# KiCad board SparkFun_Pro_Mini-ESP32_panelized.kicad_pcb (continued)
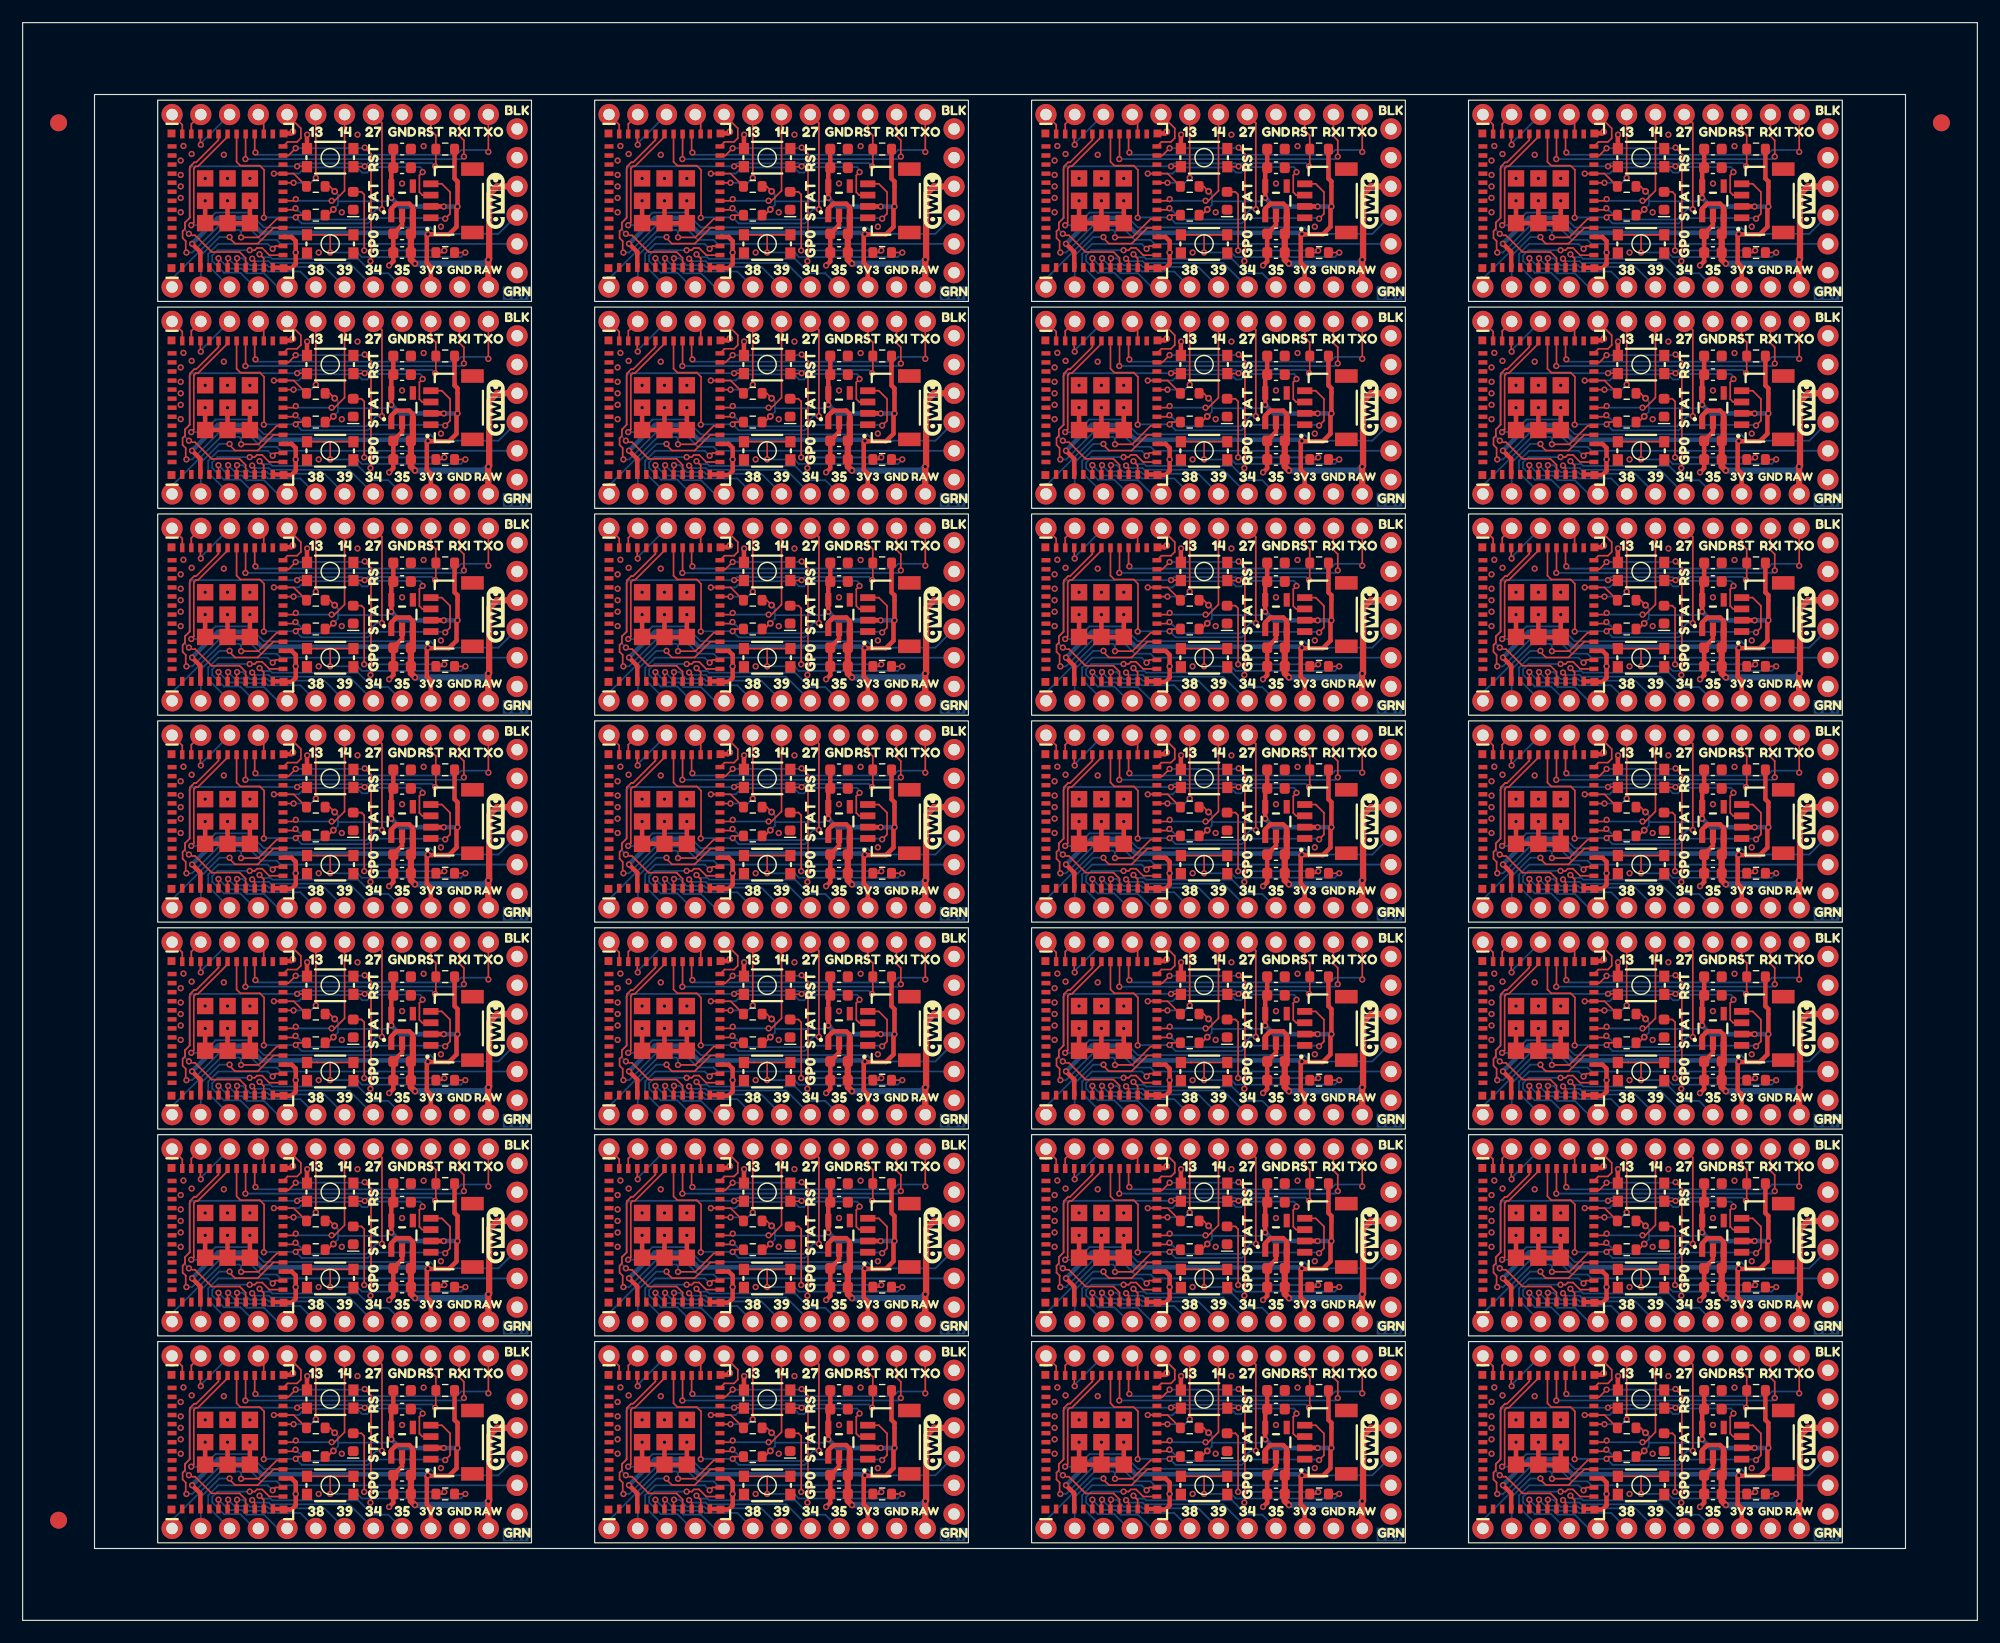
[diagram p0: board, top side]
## Routing (per net, layer and track width the routed paths; a pad name or vN(x,y) marks a point on that pad's centre or on a via; arc(x,y) is an arc through that point)
+3.3V: length 1676.9
  Top w0.152: R3#13.1 65.55,51.03 v1(66.05,51.53) ; 26.73,124.15 26.95,124.15 v1(27.45,124.65) ; v1(143.36,53.13) 142.93,53.57 R4#7.1 ; R3#14.1 104.15,51.03 v1(104.65,51.53) ; 26.73,105.87 26.95,105.87 v1(27.45,106.37) ; v1(143.25,124.65) 142.75,124.15 R3#18.1 ; R3#4.1 142.75,14.47 v1(143.25,14.97) ; v1(143.25,88.09) 142.75,87.59 R3#25.1 ; v1(104.65,88.09) 104.15,87.59 R3#11.1 ; R3#15.1 104.15,124.15 v1(104.65,124.65) ; R3#28.1 65.55,105.87 v1(66.05,106.37) ; R3#20.1 104.15,69.31 v1(104.65,69.81) ; R4#8.1 65.73,17.01 v1(66.16,16.57) ; v1(143.25,106.37) 142.75,105.87 R3#19.1 ; R3#8.1 65.55,124.15 v1(66.05,124.65) ; v1(27.56,126.25) 27.13,126.69 26.73,126.69 ; 26.73,90.13 27.13,90.13 v1(27.56,89.69) ; v1(27.45,51.53) 26.95,51.03 26.73,51.03 ; R4#28.1 65.73,35.29 v1(66.16,34.85) ; R4#27.1 104.33,108.41 v1(104.76,107.97) ; R4#22.1 104.33,53.57 v1(104.76,53.13) ; v1(104.65,14.97) 104.15,14.47 R3#21.1 ; R3.1 142.75,51.03 v1(143.25,51.53) ; R4#12.1 142.93,35.29 v1(143.36,34.85) ; 26.73,108.41 27.13,108.41 v1(27.56,107.97) ; R4#17.1 65.73,126.69 v1(66.16,126.25) ; v1(104.76,89.69) 104.33,90.13 R4#21.1 ; v1(27.56,34.85) 27.13,35.29 26.73,35.29 ; v1(66.16,53.13) 65.73,53.57 R4#24.1 ; 26.73,32.75 26.95,32.75 v1(27.45,33.25) ; v1(143.36,107.97) 142.93,108.41 R4#4.1 ; v1(27.45,88.09) 26.95,87.59 26.73,87.59 ; v1(143.36,71.41) 142.93,71.85 R4#16.1 ; v1(143.36,89.69) 142.93,90.13 R4.1 ; R3#5.1 104.15,105.87 v1(104.65,106.37) ; R4#20.1 65.73,90.13 v1(66.16,89.69) ; v1(27.45,14.97) 26.95,14.47 26.73,14.47 ; v1(66.05,33.25) 65.55,32.75 R3#16.1 ; 26.73,53.57 27.13,53.57 v1(27.56,53.13) ; 26.73,17.01 27.13,17.01 v1(27.56,16.57) ; R3#10.1 65.55,69.31 v1(66.05,69.81) ; v1(66.16,107.97) 65.73,108.41 R4#11.1 ; R4#23.1 104.33,71.85 v1(104.76,71.41) ; R3#9.1 65.55,14.47 v1(66.05,14.97) ; R4#25.1 65.73,71.85 v1(66.16,71.41) ; R4#5.1 104.33,35.29 v1(104.76,34.85) ; v1(27.56,71.41) 27.13,71.85 26.73,71.85 ; v1(104.76,126.25) 104.33,126.69 R4#9.1 ; R3#23.1 142.75,69.31 v1(143.25,69.81) ; v1(104.65,33.25) 104.15,32.75 R3#26.1 ; v1(66.05,88.09) 65.55,87.59 R3#6.1 ; R4#3.1 104.33,17.01 v1(104.76,16.57) ; v1(143.36,126.25) 142.93,126.69 R4#6.1 ; v1(143.25,33.25) 142.75,32.75 R3#22.1 ; R4#19.1 142.93,17.01 v1(143.36,16.57) ; v1(27.45,69.81) 26.95,69.31 26.73,69.31
  Top w0.406: U1#16.3 54.3,84.33 v2(53.57,85.06) ; J2#25.10 74.66,64.74 74.3,65.1 74.3,67.54 v2(74.41,67.65) 74.44,67.61 76.26,67.61 76.93,68.28 76.93,69.99 v2(77.02,70.07) 77.02,72.29 76.76,72.55 R1#22.1 ; C6#12.1 C5#4.1 109.77,128.17 U2#17.5 v2(109.77,125.67) ; v2(109.77,107.39) U2#20.5 109.77,109.89 C5#19.1 C6#24.1 ; U1.3 15.7,11.21 v2(14.97,11.94) ; v2(130.77,103.34) 131.5,102.61 U1#19.3 ; v2(153,51.79) 153,51.8 J4#24.2 ; R1#9.1 153.95,54.27 154.22,54.01 v2(154.22,51.79) 154.13,51.71 154.13,50 153.46,49.33 151.64,49.33 v2(151.61,49.37) 151.5,49.26 151.5,46.82 151.86,46.46 J2#13.10 ; C6#11.1 C5#5.1 32.57,36.77 U2#16.5 v2(32.57,34.27) ; J4#10.2 37.2,51.8 v2(37.2,51.79) ; U1#8.3 92.9,29.49 v2(92.17,30.22) ; C6#15.1 C5#14.1 148.37,55.05 U2#7.5 v2(148.37,52.55) ; J4#5.2 75.8,33.52 v2(75.8,33.51) ; v2(14.97,103.34) 15.7,102.61 U1#6.3 ; v2(109.77,89.11) U2.5 109.77,91.61 C5#23.1 C6#23.1 ; U1#21.3 54.3,102.61 v2(53.57,103.34) ; R1#18.1 153.95,127.39 154.22,127.13 v2(154.22,124.91) 154.13,124.83 154.13,123.12 153.46,122.45 151.64,122.45 v2(151.61,122.49) 151.5,122.38 151.5,119.94 151.86,119.58 J2#26.10 ; J4#28.2 153,70.08 v2(153,70.07) ; v2(37.2,106.63) 37.2,106.64 J4#8.2 ; v2(114.4,51.79) 114.39,51.8 J4#14.2 ; C6#18.1 C5#26.1 109.77,18.49 U2#19.5 v2(109.77,15.99) ; v2(32.57,70.83) U2#5.5 32.57,73.33 C5#25.1 C6#2.1 ; C6#19.1 C5.1 32.57,18.49 U2#10.5 v2(32.57,15.99) ; R1#4.1 153.95,90.83 154.22,90.57 v2(154.22,88.35) 154.13,88.27 154.13,86.56 153.46,85.89 151.64,85.89 v2(151.61,85.93) 151.5,85.82 151.5,83.38 151.86,83.02 J2#28.10 ; J2#16.10 113.26,83.02 112.9,83.38 112.9,85.82 v2(113.01,85.93) 113.04,85.89 114.86,85.89 115.53,86.56 115.53,88.27 v2(115.62,88.35) 115.62,90.57 115.36,90.83 R1#16.1 ; v2(53.57,30.22) 54.3,29.49 U1#17.3 ; v2(71.17,15.99) U2#2.5 71.17,18.49 71.35,18.66 71.35,20.31 ; U1#10.3 92.9,66.05 v2(92.17,66.78) ; R1#25.1 115.36,35.99 115.62,35.73 v2(115.62,33.51) 115.53,33.43 115.53,31.72 114.86,31.05 113.04,31.05 v2(113.01,31.09) 112.9,30.98 112.9,28.54 113.26,28.18 J2.10 ; R1#26.1 115.36,54.27 115.62,54.01 v2(115.62,51.79) 115.53,51.71 115.53,50 114.86,49.33 113.04,49.33 v2(113.01,49.37) 112.9,49.26 112.9,46.82 113.26,46.46 J2#18.10 ; J2#7.10 36.06,101.3 35.7,101.66 35.7,104.1 v2(35.81,104.21) 35.84,104.17 37.66,104.17 38.33,104.84 38.33,106.55 v2(38.42,106.63) 38.42,108.85 38.15,109.11 R1#15.1 ; R1#13.1 38.15,17.71 38.42,17.45 v2(38.42,15.23) 38.33,15.15 38.33,13.44 37.66,12.77 35.84,12.77 v2(35.81,12.81) 35.7,12.7 35.7,10.26 36.06,9.9 J2#20.10 ; v2(37.2,15.23) 37.2,15.24 J4#21.2 ; C6#25.1 C5#12.1 109.77,36.77 U2#4.5 v2(109.77,34.27) ; R1#2.1 76.76,35.99 77.02,35.73 v2(77.02,33.51) 76.93,33.43 76.93,31.72 76.26,31.05 74.44,31.05 v2(74.41,31.09) 74.3,30.98 74.3,28.54 74.66,28.18 J2#2.10 ; v2(114.4,124.91) 114.39,124.92 J4#7.2 ; J2#12.10 151.86,28.18 151.5,28.54 151.5,30.98 v2(151.61,31.09) 151.64,31.05 153.46,31.05 154.13,31.72 154.13,33.43 v2(154.22,33.51) 154.22,35.73 153.95,35.99 R1#12.1 ; C6#28.1 C5#2.1 32.57,109.89 U2#14.5 v2(32.57,107.39) ; v2(130.77,85.06) 131.5,84.33 U1#3.3 ; v2(92.17,48.5) 92.9,47.77 U1#5.3 ; U1#12.3 131.5,66.05 v2(130.77,66.78) ; v2(53.57,121.62) 54.3,120.89 U1#23.3 ; v2(14.97,121.62) 15.7,120.89 U1#18.3 ; v2(153,106.63) 153,106.64 J4#2.2 ; J4#17.2 37.2,33.52 v2(37.2,33.51) ; v2(148.37,70.83) U2#9.5 148.37,73.33 C5#27.1 C6#5.1 ; J4#3.2 75.8,51.8 v2(75.8,51.79) ; J4#6.2 114.39,33.52 v2(114.4,33.51) ; R1#14.1 153.95,17.71 154.22,17.45 v2(154.22,15.23) 154.13,15.15 154.13,13.44 153.46,12.77 151.64,12.77 v2(151.61,12.81) 151.5,12.7 151.5,10.26 151.86,9.9 J2#10.10 ; U1#20.3 54.3,47.77 v2(53.57,48.5) ; J4#23.2 114.39,70.08 v2(114.4,70.07) ; R1#20.1 153.95,72.55 154.22,72.29 v2(154.22,70.07) 154.13,69.99 154.13,68.28 153.46,67.61 151.64,67.61 v2(151.61,67.65) 151.5,67.54 151.5,65.1 151.86,64.74 J2#3.10 ; v2(71.17,34.27) U2#26.5 71.17,36.77 71.35,36.94 71.35,38.59 ; J4#22.2 114.39,15.24 v2(114.4,15.23) ; J4#4.2 75.8,15.24 v2(75.8,15.23) ; C6#27.1 C5#9.1 148.37,109.89 U2#11.5 v2(148.37,107.39) ; J4#27.2 114.39,88.36 v2(114.4,88.35) ; C6#14.1 C5#11.1 148.37,91.61 U2#27.5 v2(148.37,89.11) ; v2(92.17,103.34) 92.9,102.61 U1#11.3 ; v2(53.57,66.78) 54.3,66.05 U1#15.3 ; U1#22.3 92.9,11.21 v2(92.17,11.94) ; J4#9.2 153,15.24 v2(153,15.23) ; v2(153,124.91) 153,124.92 J4#15.2 ; v2(130.77,11.94) 131.5,11.21 U1#26.3 ; R1#7.1 115.36,72.55 115.62,72.29 v2(115.62,70.07) 115.53,69.99 115.53,68.28 114.86,67.61 113.04,67.61 v2(113.01,67.65) 112.9,67.54 112.9,65.1 113.26,64.74 J2#14.10 ; 71.35,129.99 71.35,128.34 71.17,128.17 U2#6.5 v2(71.17,125.67) ; v2(53.57,11.94) 54.3,11.21 U1#4.3 ; R1#28.1 115.36,17.71 115.62,17.45 v2(115.62,15.23) 115.53,15.15 115.53,13.44 114.86,12.77 113.04,12.77 v2(113.01,12.81) 112.9,12.7 112.9,10.26 113.26,9.9 J2#5.10 ; v2(148.37,125.67) U2#22.5 148.37,128.17 C5#3.1 C6#21.1 ; v2(109.77,52.55) U2#18.5 109.77,55.05 C5#15.1 C6#16.1 ; J4#12.2 114.39,106.64 v2(114.4,106.63) ; v2(37.2,88.35) 37.2,88.36 J4#18.2 ; v2(71.17,107.39) U2#3.5 71.17,109.89 71.35,110.06 71.35,111.71 ; J2#15.10 36.06,28.18 35.7,28.54 35.7,30.98 v2(35.81,31.09) 35.84,31.05 37.66,31.05 38.33,31.72 38.33,33.43 v2(38.42,33.51) 38.42,35.73 38.15,35.99 R1#23.1 ; J4#25.2 153,33.52 v2(153,33.51) ; U1#9.3 131.5,120.89 v2(130.77,121.62) ; v2(37.2,70.07) 37.2,70.08 J4.2 ; v2(71.17,70.83) U2#12.5 71.17,73.33 71.35,73.5 71.35,75.15 ; v2(71.17,52.55) U2#21.5 71.17,55.05 71.35,55.22 71.35,56.87 ; R1#11.1 76.76,54.27 77.02,54.01 v2(77.02,51.79) 76.93,51.71 76.93,50 76.26,49.33 74.44,49.33 v2(74.41,49.37) 74.3,49.26 74.3,46.82 74.66,46.46 J2#23.10 ; R1#6.1 76.76,109.11 77.02,108.85 v2(77.02,106.63) 76.93,106.55 76.93,104.84 76.26,104.17 74.44,104.17 v2(74.41,104.21) 74.3,104.1 74.3,101.66 74.66,101.3 J2#19.10 ; v2(75.8,124.91) 75.8,124.92 J4#26.2 ; U1#25.3 15.7,84.33 v2(14.97,85.06) ; v2(75.8,70.07) 75.8,70.08 J4#11.2 ; J2#17.10 113.26,119.58 112.9,119.94 112.9,122.38 v2(113.01,122.49) 113.04,122.45 114.86,122.45 115.53,123.12 115.53,124.83 v2(115.62,124.91) 115.62,127.13 115.36,127.39 R1#27.1 ; v2(130.77,48.5) 131.5,47.77 U1#7.3 ; v2(71.17,89.11) U2#24.5 71.17,91.61 71.35,91.78 71.35,93.43 ; R1#17.1 76.76,127.39 77.02,127.13 v2(77.02,124.91) 76.93,124.83 76.93,123.12 76.26,122.45 74.44,122.45 v2(74.41,122.49) 74.3,122.38 74.3,119.94 74.66,119.58 J2#4.10 ; R1.1 153.95,109.11 154.22,108.85 v2(154.22,106.63) 154.13,106.55 154.13,104.84 153.46,104.17 151.64,104.17 v2(151.61,104.21) 151.5,104.1 151.5,101.66 151.86,101.3 J2#27.10 ; J2#22.10 36.06,64.74 35.7,65.1 35.7,67.54 v2(35.81,67.65) 35.84,67.61 37.66,67.61 38.33,68.28 38.33,69.99 v2(38.42,70.07) 38.42,72.29 38.15,72.55 R1#24.1 ; J2#6.10 36.06,119.58 35.7,119.94 35.7,122.38 v2(35.81,122.49) 35.84,122.45 37.66,122.45 38.33,123.12 38.33,124.83 v2(38.42,124.91) 38.42,127.13 38.15,127.39 R1#8.1 ; v2(14.97,48.5) 15.7,47.77 U1#28.3 ; v2(148.37,34.27) U2#28.5 148.37,36.77 C5#20.1 C6#10.1 ; v2(92.17,121.62) 92.9,120.89 U1#14.3 ; U1#2.3 15.7,29.49 v2(14.97,30.22) ; C6#3.1 C5#10.1 32.57,128.17 U2#13.5 v2(32.57,125.67) ; v2(32.57,89.11) U2#25.5 32.57,91.61 C5#8.1 C6#17.1 ; U1#24.3 15.7,66.05 v2(14.97,66.78) ; v2(32.57,52.55) U2#23.5 32.57,55.05 C5#28.1 C6#6.1 ; R1#21.1 76.76,90.83 77.02,90.57 v2(77.02,88.35) 76.93,88.27 76.93,86.56 76.26,85.89 74.44,85.89 v2(74.41,85.93) 74.3,85.82 74.3,83.38 74.66,83.02 J2#21.10 ; J4#13.2 37.2,124.92 v2(37.2,124.91) ; J4#20.2 75.8,88.36 v2(75.8,88.35) ; R1#5.1 115.36,109.11 115.62,108.85 v2(115.62,106.63) 115.53,106.55 115.53,104.84 114.86,104.17 113.04,104.17 v2(113.01,104.21) 112.9,104.1 112.9,101.66 113.26,101.3 J2#24.10 ; J2#8.10 74.66,9.9 74.3,10.26 74.3,12.7 v2(74.41,12.81) 74.44,12.77 76.26,12.77 76.93,13.44 76.93,15.15 v2(77.02,15.23) 77.02,17.45 76.76,17.71 R1#10.1 ; v2(153,88.35) 153,88.36 J4#16.2 ; v2(75.8,106.63) 75.8,106.64 J4#19.2 ; R1#3.1 38.15,54.27 38.42,54.01 v2(38.42,51.79) 38.33,51.71 38.33,50 37.66,49.33 35.84,49.33 v2(35.81,49.37) 35.7,49.26 35.7,46.82 36.06,46.46 J2#9.10 ; v2(109.77,70.83) U2#15.5 109.77,73.33 C5#21.1 C6#13.1 ; v2(130.77,30.22) 131.5,29.49 U1#27.3 ; v2(148.37,15.99) U2#8.5 148.37,18.49 C5#16.1 C6.1 ; v2(92.17,85.06) 92.9,84.33 U1#13.3 ; J2#11.10 36.06,83.02 35.7,83.38 35.7,85.82 v2(35.81,85.93) 35.84,85.89 37.66,85.89 38.33,86.56 38.33,88.27 v2(38.42,88.35) 38.42,90.57 38.15,90.83 R1#19.1
  Bottom w0.152: 27.86,34.02 27.9,33.97 32.27,33.97 v2(32.57,34.27) ; 27.86,34.02 27.86,33.66 v1(27.45,33.25) ; 27.86,34.02 27.86,34.56 v1(27.56,34.85) ; 143.66,88.86 143.66,88.5 v1(143.25,88.09) ; 143.66,88.86 143.7,88.81 148.07,88.81 v2(148.37,89.11) ; 143.66,88.86 143.66,89.4 v1(143.36,89.69) ; 66.46,125.42 66.5,125.37 70.87,125.37 v2(71.17,125.67) ; 66.46,125.42 66.46,125.96 v1(66.16,126.25) ; 66.46,125.42 66.46,125.06 v1(66.05,124.65) ; v1(27.45,14.97) 27.86,15.38 27.86,15.74 ; v1(104.76,126.25) 105.06,125.96 105.06,125.42 ; v2(32.57,125.67) 32.27,125.37 27.9,125.37 27.86,125.42 ; v1(143.36,107.97) 143.66,107.68 143.66,107.14 ; 66.46,107.14 66.46,106.78 v1(66.05,106.37) ; 66.46,107.14 66.46,107.68 v1(66.16,107.97) ; 66.46,107.14 66.5,107.09 70.87,107.09 v2(71.17,107.39) ; 105.06,52.3 105.1,52.25 109.47,52.25 v2(109.77,52.55) ; 105.06,52.3 105.06,52.84 v1(104.76,53.13) ; 105.06,52.3 105.06,51.94 v1(104.65,51.53) ; v1(104.65,88.09) 105.06,88.5 105.06,88.86 ; v1(143.25,124.65) 143.66,125.06 143.66,125.42 ; 143.66,34.02 143.7,33.97 148.07,33.97 v2(148.37,34.27) ; 143.66,34.02 143.66,34.56 v1(143.36,34.85) ; 143.66,34.02 143.66,33.66 v1(143.25,33.25) ; 105.06,15.74 105.1,15.69 109.47,15.69 v2(109.77,15.99) ; 105.06,15.74 105.06,15.38 v1(104.65,14.97) ; 105.06,15.74 105.06,16.28 v1(104.76,16.57) ; v1(66.05,69.81) 66.46,70.22 66.46,70.58 ; 27.86,52.3 27.86,52.84 v1(27.56,53.13) ; 27.86,52.3 27.86,51.94 v1(27.45,51.53) ; 27.86,52.3 27.9,52.25 32.27,52.25 v2(32.57,52.55) ; 27.86,70.58 27.86,70.22 v1(27.45,69.81) ; 27.86,70.58 27.86,71.12 v1(27.56,71.41) ; 27.86,70.58 27.9,70.53 32.27,70.53 v2(32.57,70.83) ; 66.46,52.3 66.46,52.84 v1(66.16,53.13) ; 66.46,52.3 66.5,52.25 70.87,52.25 v2(71.17,52.55) ; 66.46,52.3 66.46,51.94 v1(66.05,51.53) ; v1(66.05,33.25) 66.46,33.66 66.46,34.02 ; 66.46,15.74 66.46,16.28 v1(66.16,16.57) ; 66.46,15.74 66.5,15.69 70.87,15.69 v2(71.17,15.99) ; 66.46,15.74 66.46,15.38 v1(66.05,14.97) ; v2(32.57,107.39) 32.27,107.09 27.9,107.09 27.86,107.14 ; v2(148.37,107.39) 148.07,107.09 143.7,107.09 143.66,107.14 ; v1(143.25,106.37) 143.66,106.78 143.66,107.14 ; 27.86,88.86 27.86,89.4 v1(27.56,89.69) ; 27.86,88.86 27.9,88.81 32.27,88.81 v2(32.57,89.11) ; 27.86,88.86 27.86,88.5 v1(27.45,88.09) ; 27.86,125.42 27.86,125.06 v1(27.45,124.65) ; 27.86,125.42 27.86,125.96 v1(27.56,126.25) ; v2(109.77,34.27) 109.47,33.97 105.1,33.97 105.06,34.02 ; 66.46,34.02 66.46,34.56 v1(66.16,34.85) ; 66.46,34.02 66.5,33.97 70.87,33.97 v2(71.17,34.27) ; v1(143.25,51.53) 143.66,51.94 143.66,52.3 ; 105.06,88.86 105.06,89.4 v1(104.76,89.69) ; 105.06,88.86 105.1,88.81 109.47,88.81 v2(109.77,89.11) ; 66.46,70.58 66.5,70.53 70.87,70.53 v2(71.17,70.83) ; 66.46,70.58 66.46,71.12 v1(66.16,71.41) ; v2(148.37,15.99) 148.07,15.69 143.7,15.69 143.66,15.74 ; 143.66,15.74 143.66,16.28 v1(143.36,16.57) ; 143.66,15.74 143.66,15.38 v1(143.25,14.97) ; v1(104.76,34.85) 105.06,34.56 105.06,34.02 ; v1(143.36,53.13) 143.66,52.84 143.66,52.3 ; v1(27.45,106.37) 27.86,106.78 27.86,107.14 ; 105.06,34.02 105.06,33.66 v1(104.65,33.25) ; 105.06,107.14 105.06,107.68 v1(104.76,107.97) ; 105.06,107.14 105.1,107.09 109.47,107.09 v2(109.77,107.39) ; 105.06,107.14 105.06,106.78 v1(104.65,106.37) ; 105.06,125.42 105.1,125.37 109.47,125.37 v2(109.77,125.67) ; 105.06,125.42 105.06,125.06 v1(104.65,124.65) ; 143.66,125.42 143.66,125.96 v1(143.36,126.25) ; 143.66,125.42 143.7,125.37 148.07,125.37 v2(148.37,125.67) ; v1(27.56,107.97) 27.86,107.68 27.86,107.14 ; v1(143.25,69.81) 143.66,70.22 143.66,70.58 ; 143.66,70.58 143.66,71.12 v1(143.36,71.41) ; 143.66,70.58 143.7,70.53 148.07,70.53 v2(148.37,70.83) ; v1(66.05,88.09) 66.46,88.5 66.46,88.86 ; 143.66,52.3 143.7,52.25 148.07,52.25 v2(148.37,52.55) ; 27.86,15.74 27.86,16.28 v1(27.56,16.57) ; 27.86,15.74 27.9,15.69 32.27,15.69 v2(32.57,15.99) ; 66.46,88.86 66.5,88.81 70.87,88.81 v2(71.17,89.11) ; 66.46,88.86 66.46,89.4 v1(66.16,89.69) ; 105.06,70.58 105.06,71.12 v1(104.76,71.41) ; 105.06,70.58 105.1,70.53 109.47,70.53 v2(109.77,70.83) ; 105.06,70.58 105.06,70.22 v1(104.65,69.81)
  Bottom w0.406: v2(35.81,67.65) 35.7,67.75 21.11,67.75 19.8,69.06 17.24,69.06 v2(14.97,66.78) ; v2(151.61,104.21) 151.5,104.31 136.91,104.31 135.6,105.62 133.04,105.62 v2(130.77,103.34) ; v2(148.37,34.27) 149.13,33.51 v2(153,33.51) v2(154.22,33.51) ; v2(115.62,88.35) v2(114.4,88.35) 110.53,88.35 v2(109.77,89.11) ; v2(113.01,67.65) 112.9,67.75 98.31,67.75 97,69.06 94.44,69.06 v2(92.17,66.78) ; v2(14.97,121.62) 17.24,123.9 19.8,123.9 21.11,122.59 35.7,122.59 v2(35.81,122.49) ; v2(77.02,70.07) v2(75.8,70.07) 71.93,70.07 v2(71.17,70.83) ; v2(109.77,15.99) 110.53,15.23 v2(114.4,15.23) v2(115.62,15.23) ; v2(130.77,30.22) 133.04,32.5 135.6,32.5 136.91,31.19 151.5,31.19 v2(151.61,31.09) ; v2(151.61,49.37) 151.5,49.47 136.91,49.47 135.6,50.78 133.04,50.78 v2(130.77,48.5) ; v2(74.41,85.93) 74.3,86.03 59.71,86.03 58.4,87.34 55.84,87.34 v2(53.57,85.06) ; v2(92.17,103.34) 94.44,105.62 97,105.62 98.31,104.31 112.9,104.31 v2(113.01,104.21) ; v2(38.42,51.79) v2(37.2,51.79) 33.33,51.79 v2(32.57,52.55) ; v2(74.41,49.37) 74.3,49.47 59.71,49.47 58.4,50.78 55.84,50.78 v2(53.57,48.5) ; v2(148.37,15.99) 149.13,15.23 v2(153,15.23) v2(154.22,15.23) ; v2(32.57,15.99) 33.33,15.23 v2(37.2,15.23) v2(38.42,15.23) ; v2(32.57,70.83) 33.33,70.07 v2(37.2,70.07) v2(38.42,70.07) ; v2(154.22,106.63) v2(153,106.63) 149.13,106.63 v2(148.37,107.39) ; v2(77.02,33.51) v2(75.8,33.51) 71.93,33.51 v2(71.17,34.27) ; v2(53.57,11.94) 55.84,14.22 58.4,14.22 59.71,12.91 74.3,12.91 v2(74.41,12.81) ; v2(14.97,103.34) 17.24,105.62 19.8,105.62 21.11,104.31 35.7,104.31 v2(35.81,104.21) ; v2(130.77,66.78) 133.04,69.06 135.6,69.06 136.91,67.75 151.5,67.75 v2(151.61,67.65) ; v2(14.97,11.94) 17.24,14.22 19.8,14.22 21.11,12.91 35.7,12.91 v2(35.81,12.81) ; v2(109.77,70.83) 110.53,70.07 v2(114.4,70.07) v2(115.62,70.07) ; v2(32.57,125.67) 33.33,124.91 v2(37.2,124.91) v2(38.42,124.91) ; v2(115.62,51.79) v2(114.4,51.79) 110.53,51.79 v2(109.77,52.55) ; v2(71.17,107.39) 71.93,106.63 v2(75.8,106.63) v2(77.02,106.63) ; v2(77.02,51.79) v2(75.8,51.79) 71.93,51.79 v2(71.17,52.55) ; v2(35.81,31.09) 35.7,31.19 21.11,31.19 19.8,32.5 17.24,32.5 v2(14.97,30.22) ; v2(74.41,122.49) 74.3,122.59 59.71,122.59 58.4,123.9 55.84,123.9 v2(53.57,121.62) ; v2(130.77,121.62) 133.04,123.9 135.6,123.9 136.91,122.59 151.5,122.59 v2(151.61,122.49) ; v2(92.17,30.22) 94.44,32.5 97,32.5 98.31,31.19 112.9,31.19 v2(113.01,31.09) ; v2(92.17,48.5) 94.44,50.78 97,50.78 98.31,49.47 112.9,49.47 v2(113.01,49.37) ; v2(154.22,51.79) v2(153,51.79) 149.13,51.79 v2(148.37,52.55) ; v2(53.57,30.22) 55.84,32.5 58.4,32.5 59.71,31.19 74.3,31.19 v2(74.41,31.09) ; v2(154.22,124.91) v2(153,124.91) 149.13,124.91 v2(148.37,125.67) ; v2(35.81,49.37) 35.7,49.47 21.11,49.47 19.8,50.78 17.24,50.78 v2(14.97,48.5) ; v2(151.61,85.93) 151.5,86.03 136.91,86.03 135.6,87.34 133.04,87.34 v2(130.77,85.06) ; v2(148.37,89.11) 149.13,88.35 v2(153,88.35) v2(154.22,88.35) ; v2(38.42,88.35) v2(37.2,88.35) 33.33,88.35 v2(32.57,89.11) ; v2(109.77,107.39) 110.53,106.63 v2(114.4,106.63) v2(115.62,106.63) ; v2(113.01,85.93) 112.9,86.03 98.31,86.03 97,87.34 94.44,87.34 v2(92.17,85.06) ; v2(92.17,121.62) 94.44,123.9 97,123.9 98.31,122.59 112.9,122.59 v2(113.01,122.49) ; v2(14.97,85.06) 17.24,87.34 19.8,87.34 21.11,86.03 35.7,86.03 v2(35.81,85.93) ; v2(53.57,66.78) 55.84,69.06 58.4,69.06 59.71,67.75 74.3,67.75 v2(74.41,67.65) ; v2(115.62,33.51) v2(114.4,33.51) 110.53,33.51 v2(109.77,34.27) ; v2(38.42,33.51) v2(37.2,33.51) 33.33,33.51 v2(32.57,34.27) ; v2(109.77,125.67) 110.53,124.91 v2(114.4,124.91) v2(115.62,124.91) ; v2(74.41,104.21) 74.3,104.31 59.71,104.31 58.4,105.62 55.84,105.62 v2(53.57,103.34) ; v2(151.61,12.81) 151.5,12.91 136.91,12.91 135.6,14.22 133.04,14.22 v2(130.77,11.94) ; v2(77.02,124.91) v2(75.8,124.91) 71.93,124.91 v2(71.17,125.67) ; v2(38.42,106.63) v2(37.2,106.63) 33.33,106.63 v2(32.57,107.39) ; v2(113.01,12.81) 112.9,12.91 98.31,12.91 97,14.22 94.44,14.22 v2(92.17,11.94) ; v2(71.17,89.11) 71.93,88.35 v2(75.8,88.35) v2(77.02,88.35) ; v2(154.22,70.07) v2(153,70.07) 149.13,70.07 v2(148.37,70.83) ; v2(71.17,15.99) 71.93,15.23 v2(75.8,15.23) v2(77.02,15.23)